# Altium PCB Printing.PcbDoc (part 2 of 5) (continued)
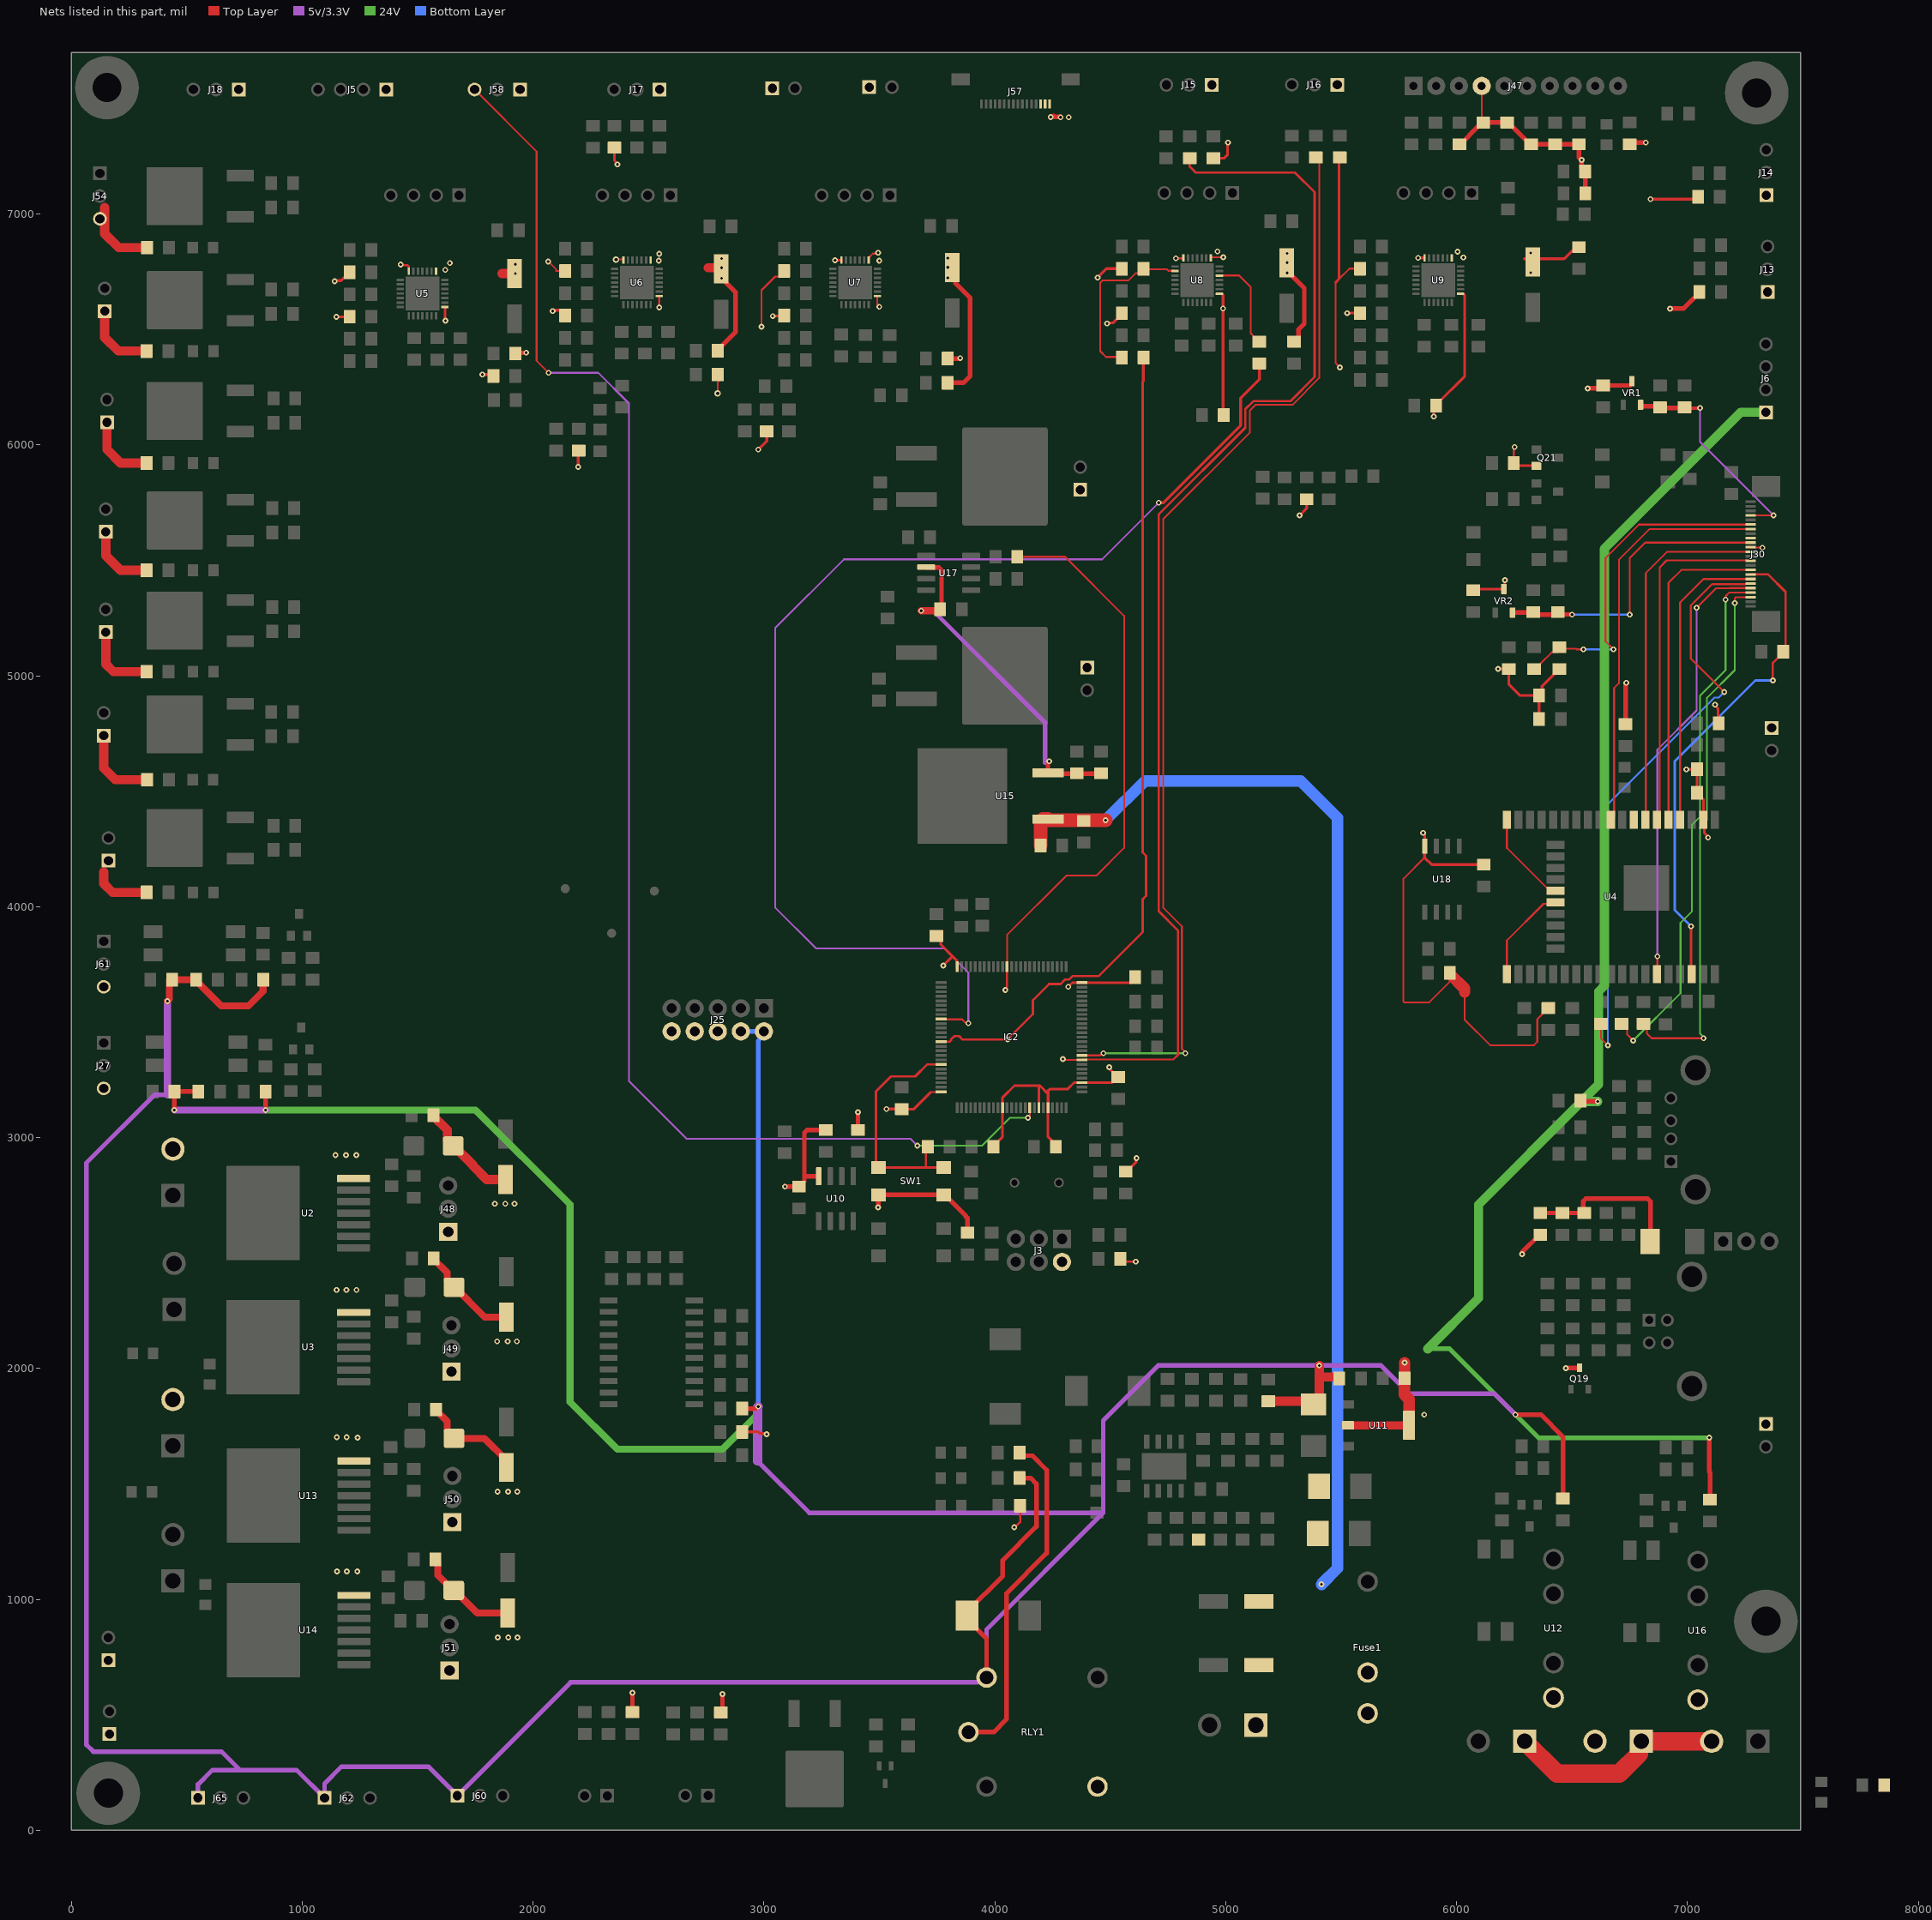
[diagram p4: the nets of this part, all layers, seen from the top]
## Part data (continued)
Fuse1: library part 696310001002, "Fuse Holder 20 A 250V 1 Circuit Cartridge Through Hole", Package=None, Availability="In Stock", Check_prices=https://www.snapeda.com/parts/696310001002/Wurth+Elektronik/view-part/?ref=eda, MF="Wurth Elektronik", MP=696310001002, Price=None, SnapEDA_Link=https://www.snapeda.com/parts/696310001002/Wurth+Elektronik/view-part/?ref=snap
IC2: "ARMÂ® CortexÂ®-M4 STM32F4 Microcontroller IC 32-Bit 168MHz 512KB _512K x 8_ FLASH 100-LQFP _14x14_", Package="LQFP-100 STMicroelectronics", Availability=Unavailable, MF=STMicroelectronics, MP=STM32F407VET6, Price=None, SnapEDA_Link=https://www.snapeda.com/parts/STM32F407VET6/STMicroelectronics/view-part/45214/?ref=snap
IC3: "4.5-V to 60-V input, 5-A, step-down DC-DC converter with Eco-mode 8-SO PowerPAD -40 to 150", Package="HSOIC-8 Texas Instruments", Arrow_Electronics-Purchase-URL=https://snapeda.com/shop?store=Arrow+Electronics&id=4328218, Availability=Good, DigiKey-Purchase-URL=https://snapeda.com/shop?store=DigiKey&id=4328218, MF="Texas Instruments", Mouser-Purchase-URL=https://snapeda.com/shop?store=Mouser&id=4328218, MP=TPS54560BDDA, Price=None, SnapEDA_Link=https://www.snapeda.com/parts/TPS54560BDDA/Texas%20Instruments/view-part/4328218/?ref=snap, Texas_Instruments-Purchase-URL=https://snapeda.com/shop?store=Texas+Instruments&id=4328218
J2: "USB-B (USB TYPE-B) USB 2.0 Receptacle Connector 4 Position Through Hole, Right Angle", Package=None, Supplier Part Number 1=3664925, Availability=Unavailable, MP=USB-B-S-X-X-TH, Price=None, Supplier 1=Farnell
J4: "USB-A (USB TYPE-A) USB 2.0 Receptacle Connector 4 Position Through Hole, Right Angle", Package=None, Digi-Key_Part_Number=SAM10373-ND, MF=Samtec, MP=USB-A-S-S-W-TH, SnapEDA_Link=https://www.snapeda.com/parts/USB-A-S-S-W-TH/Samtec%20Inc./view-part/423470/?ref=snap, Toby_UK-Purchase-URL=https://snapeda.com/shop?store=Toby+UK&id=423470
J5 J6 J13 J14 J15 J16 J17 J18 J27 J42 J43 J44 J45 J46 J54 J58 J60 J61 J62 J65: Package=None, Availability=Unavailable, Price=None
  J5 J6 J42 J43 J44 J45 J46: MP=B4B-XH-A(LF)(SN)
  J13 J14 J15 J16 J17 J18 J27 J54 J58 J60 J61 J62 J65: MP=B3B-XH-A(LF)(SN)
J7 J8 J11 J28 J29 J31 J32 J33 J34 J36 J52 J53 J55 J63 J64 J66: "Connector Header Through Hole 2 position 0.098 (2.50mm)", Package=None, Availability="In Stock", Check_prices=https://www.snapeda.com/parts/B2B-XH-A(LF)(SN)/JST+Sales+America+Inc./view-part/?ref=eda, MF="JST Sales", MP=B2B-XH-A(LF)(SN), Price=None, Purchase-URL=https://pricing.snapeda.com/search/part/B2B-XH-A(LF)(SN)/?ref=eda, SnapEDA_Link=https://www.snapeda.com/parts/B2B-XH-A(LF)(SN)/JST+Sales+America+Inc./view-part/?ref=snap
J47: "Connector Header, XH Series, 10 Position, 2.5mm, 250V, Through Hole, Press Fit, Solder, Natural", Manufacturer=JST, Supplier Part Number 1=455-BH10B-XH-2(LF)(SN)-ND, Category=Connectors, ComponentLink1Description=http://www.jst-mfg.com/product/pdf/eng/eXH-H.pdf?src-supplier=Digi-Key, ComponentLink1URL=http://www.jst-mfg.com/product/pdf/eng/eXH-H.pdf?src-supplier=Digi-Key, Manufacturer Part Number=BH10B-XH-2(LF)(SN), Pricing 1="1=0,77000, 10=0,65200, 100=0,58540, 500=0,47898, 1000=0,42576, 5000=0,37254, 10000=0,35392 (USD)", RoHS=No, Stock 1=53, Supplier 1=Digi-Key
J57: "Conn FFC/FPC Connector SKT 16 POS 0.5mm Solder RA SMD Easy-On™ T/R", Current Rating=500mA, Flammability Rating="UL94 V-0", Manufacturer=Molex, Max Operating Temperature=105°C, Min Operating Temperature=-40°C, Supplier Part Number 1=1116695P, Voltage Rating=50V, Actuator Material=Nylon,Glass,Polyamide, Category="FFC / FPC", ComponentLink1Description=https://media.digikey.com/pdf/Data%20Sheets/Molex%20PDFs/FFC-FPC_Connectors.pdf?src-supplier=Digi-Key, ComponentLink1URL=https://media.digikey.com/pdf/Data%20Sheets/Molex%20PDFs/FFC-FPC_Connectors.pdf?src-supplier=Digi-Key, ComponentLink2Description=https://www.molex.com/datasheets/rohspdf/5051101692_rohs.pdf?src-supplier=Digi-Key, ComponentLink2URL=https://www.molex.com/datasheets/rohspdf/5051101692_rohs.pdf?src-supplier=Digi-Key, ComponentLink3Description=http://www.farnell.com/datasheets/2014276.pdf?src-supplier=Element14, ComponentLink3URL=http://www.farnell.com/datasheets/2014276.pdf?src-supplier=Element14, Contact Material=Bronze, Contact Plating=Gold, Gender=Receptacle, Housing Material=Polymer, Manufacturer Part Number=505110-1692, Mount="Surface Mount", Number of Positions=16, Number of Rows=1, Packaging="Cut Tape", Pitch=0.02inch, RoHS=Yes, Series="Easy-On™ 505110", Stock 1=1, Supplier 1=Rs, Termination=Solder
L1 L2 L3 L4 L6 L10: library part FER_600R@100M_#2, "IND_FER_600R@100M_2A_25%_0805", Current=4A@ΔT=40°C, Manufacturer#1=Vishay, Manufacturer#1 PN=ILHB0805ER601V, Manufacturer#2=N/A, Max Reflow Temp=260, Package=0805, Power Rating=X, Temp# Operating=-55°C/+125°C, Tolerance=±25%, Added by=HasanA, Checked by=ErayC, ComponentLink1Description="Resource Folder", ComponentLink1URL=C:\FireANTs_Repo\HW_Lib\trunk\ComponentLibrary\Resources\Inductors\L00036, Cost=0.11, Failure in Time=N/A, Features=N/A, FireANTs Code=L00036, Grade Level=Industrial, Height=1.10, Identifier=FER_600R@100M_#2, Lead Status=Pb-Free, Location=1R9, Manufacturer#2 PN=N/A, Max Reflow Duration=10, Mounting Type=SMD, MSL=1, Part Status=Active, Placement Area=10.45, Similar Part=N/A, Temp# Storage=-55°C/+125°C, Voltage=X, Weight=16mg
L5: library part 7447798720, "Fixed Ind 7.2UH 7.9A 12.8 Mohm", Case/Package=Nonstandard, Current Rating=7.9A, DC Resistance (DCR)=12.8mR, Inductance Tolerance=30%, Manufacturer="Wurth Electronics", Max DC Current=6.5A, Max Operating Temperature=150°C, Min Operating Temperature=-40°C, Package Quantity=1, Resistor Type=Wirewound, Saturation Current=6A, Self Resonant Frequency=31MHz, Supplier Part Number 1=78R5736, Test Frequency=100kHz, Category="Fixed Inductors", ComponentLink1Description=https://datasheet.ciiva.com/7892/1736564-7892967.pdf?src-supplier=Element14, ComponentLink1URL=https://datasheet.ciiva.com/7892/1736564-7892967.pdf?src-supplier=Element14, ComponentLink2Description=https://datasheet.ciiva.com/6171/530544-6171082.pdf?src-supplier=Farnell, ComponentLink2URL=https://datasheet.ciiva.com/6171/530544-6171082.pdf?src-supplier=Farnell, ComponentLink3Description=https://datasheet.ciiva.com/4954/7447798720-38957-4954724.pdf?src-supplier=Mouser, ComponentLink3URL=https://datasheet.ciiva.com/4954/7447798720-38957-4954724.pdf?src-supplier=Mouser, ComponentLink4Description=https://datasheet.ciiva.com/1060/7447798720-1060960.pdf?src-supplier=Digi-Key, ComponentLink4URL=https://datasheet.ciiva.com/1060/7447798720-1060960.pdf?src-supplier=Digi-Key, ComponentLink5Description=https://datasheet.ciiva.com/1060/7447798720-1060961.pdf?src-supplier=Digi-Key, ComponentLink5URL=https://datasheet.ciiva.com/1060/7447798720-1060961.pdf?src-supplier=Digi-Key, ComponentLink6Description=https://datasheet.ciiva.com/1060/7447798720-1060962.pdf?src-supplier=Digi-Key, ComponentLink6URL=https://datasheet.ciiva.com/1060/7447798720-1060962.pdf?src-supplier=Digi-Key, Core Material=Metal,Composite,Ferrite, Height=6.4mm, Height - Seated (Max)=0.252inch, Inductance=7.2uH, Length=0.402inch, Manufacturer Part Number=7447798720, Mount="Surface Mount", Packaging="Tape and Reel", RMS Current (Irms)=7.9A, RoHS=Yes, RoHS Compliant=Yes, Series=WE-PDF, Shielding=Shielded, Supplier 1=Newark, Termination=SMD/SMT, Tolerance=30%, Width=10.2mm
Q1 Q2 Q4 Q5 Q20 Q21: library part NPN_40V-200mA_#1, "TRA_NPN_SING_40V_200mA_VSAT300mV_SOT23-3", Current=200mA, Manufacturer#1=Nexperia, Manufacturer#1 PN=MMBT3904,215, Manufacturer#2=Diodes, Manufacturer#2 PN=MMBT3904-7-F, Max Reflow Temp=260, Package=SOT23-3, Power Rating=X, Temp# Operating=-65°C/+150°C, Voltage=40V, Added by=HasanA, Checked by=EserC, ComponentLink1Description="Resource Folder", ComponentLink1URL=C:\BNA_Repo\HW_Lib\trunk\ComponentLibrary\Resources\Transistors\Q00012, Cost=0.10, Failure in Time="0.44@[60%CL; 55°C; 0.7eV]", Features="Single NPN signal BJT", FireANTs Code=Q00012, Grade Level=Industrial, Height=1.10, Identifier=NPN_40V-200mA_#1, Lead Status=Pb-Free, Location=4D3, Max Reflow Duration=30, Mounting Type=SMD, MSL=1, Part Status=Active, Placement Area=14.00, Similar Part="SST3904HZGT116; PMBT3904,235", Temp# Storage=-65°C/+150°C, Tolerance=X, Weight=7.48mg
Q3 Q25: library part NMOS_200V-60A_#1, "TRA_NMOS_SING_200V_60A_TH3V_DPAK", Current=60A, Manufacturer#1=Vishay, Manufacturer#1 PN=SQM60N20-35_GE3, Manufacturer#2=N/A, Max Reflow Temp=260, Package=D2PAK-3, Power Rating=X, Temp# Operating=-55°C/+175°C, Voltage=200V, Added by=İlhanT, Checked by=EserC, ComponentLink1Description="Resource Folder", ComponentLink1URL=C:\BNA_Repo\HW_Lib\trunk\ComponentLibrary\Resources\Transistors\Q00029, Cost=2.86, Failure in Time="0.57@[60%CL; 55°C; 0.7eV]", Features="AEC-Q101;  Single nMOS; Rdson=35mR@Vgs=10V@25°C; Qgate(tot)=135nC; Vgsmax=±20V", FireANTs Code=Q00029, Grade Level=Automotive, Height=4.83, Identifier=NMOS_200V-60A_#1, Lead Status=Pb-Free, Location=4A8, Manufacturer#2 PN=N/A, Max Reflow Duration=10, Mounting Type=SMD, MSL=1, Part Status=Active, Placement Area=210.00, Similar Part=SQM10250E_GE3, Temp# Storage=-55°C/+175°C, Tolerance=X, Weight=1565mg
Q6 Q12 Q13 Q15 Q22 Q23 Q28 Q29: library part NMOS_100V-50A_#1, "TRA_NMOS_SING_100V_50A_TH2V_DPAK", Current=4.2A, Manufacturer#1=Vishay, Manufacturer#1 PN=SQD50N10-8M9L, Manufacturer#2=N/A, Max Reflow Temp=260, Package=DPAK, Power Rating=X, Temp# Operating=-55°C/+175°C, Voltage=70V, Added by=İlhanT, Checked by=YasinY, ComponentLink1Description="Resource Folder", ComponentLink1URL=C:\BNA_Repo\HW_Lib\trunk\ComponentLibrary\Resources\Transistors\Q00028, Cost=1.54, Failure in Time="1.84@[60%CL; 55°C; 0.7eV]", Features="AEC-Q101;  Single nMOS; Rdson=11.2mR@Vgs=4.5V@25°C; Qgate(tot)=70nC; Vgsmax=±20V", FireANTs Code=Q00028, Grade Level=Automotive, Height=2.38, Identifier=NMOS_100V-50A_#1, Lead Status=Pb-Free, Location=4D7, Manufacturer#2 PN=N/A, Max Reflow Duration=10, Mounting Type=SMD, MSL=1, Part Status=Active, Placement Area=97.50, Similar Part="SQM70060EL_GE3; SQM100N10-10_GE3", Temp# Storage=-55°C/+175°C, Tolerance=X, Weight=370mg
Q7: "NPN Ic=500mA Vceo=45V hfe=250~600 P=250mW", Manufacturer=Nexperia, Supplier Part Number 1=2319233, Category=BJTs, ComponentLink1Description=http://www.farnell.com/datasheets/2242064.pdf?src-supplier=Farnell, ComponentLink1URL=http://www.farnell.com/datasheets/2242064.pdf?src-supplier=Farnell, ComponentLink2Description=https://assets.nexperia.com/documents/data-sheet/BC817W_SER.pdf?src-supplier=Digi-Key, ComponentLink2URL=https://assets.nexperia.com/documents/data-sheet/BC817W_SER.pdf?src-supplier=Digi-Key, ComponentLink3Description=http://www.farnell.com/datasheets/2242064.pdf?src-supplier=Newark, ComponentLink3URL=http://www.farnell.com/datasheets/2242064.pdf?src-supplier=Newark, Manufacturer Part Number=BC817-40W,115, Pricing 1="5=0,16300, 50=0,12900, 100=0,09400, 500=0,04600 (EUR)", RoHS=Yes, RoHS Compliant=Yes, Stock 1=58090, Supplier 1=Farnell
Q19: "Power Field-Effect Transistor, 3.6A I(D), 30V, 0.073ohm, 1-Element, P-Channel, Silicon, Metal-oxide Semiconductor FET", Manufacturer="Pan Jit", Supplier Part Number 1=3757-PJA3405_R1_00001CT-ND, Manufacturer Part Number=PJA3405_R1_00001, Pricing 1="1=0,44000, 10=0,33400, 100=0,20830, 500=0,14250, 1000=0,10962 (USD)", RoHS=Yes, Stock 1=17264, Supplier 1=Digi-Key
R1 R2 R5 R6 R8 R10 R11 R12 R13 R14 R15 R24 R25 R26 R28 R32 R33 R40 R41 R42 R43 R49 R50 R51 R58 R59 R73 R75 R123 R126 R139 R186: library part STD_4.7K_#3, "RES_STD_4.7K_0.125W_1%_100ppm_0805", Current=X, Manufacturer#1=Yageo, Manufacturer#1 PN=AC0805FR-074K7L, Manufacturer#2=Panasonic, Manufacturer#2 PN=ERJ-6ENF4701V, Max Reflow Temp=260, Package=0805, Power Rating=125mW, Temp# Operating=-55°C/+155°C, Temp# Storage=N/A, Tolerance=1%, Voltage=150V, Added by=SonerI, Checked by=YasinY, ComponentLink1Description="Resource Folder", ComponentLink1URL=C:\FireANTs_Repo\HW_Lib\trunk\ComponentLibrary\Resources\Resistors\R00230, Cost=0.10, Failure in Time=N/A, Features=AEC-Q200, FireANTs Code=R00230, Grade Level=Automotive, Height=0.60, Identifier=STD_4.7K_#3, Lead Status=Pb-Free, Location=TBD, Max Reflow Duration=10, Mounting Type=SMD, MSL=1, Part Status=Active, Placement Area=10.45, Similar Part=N/A, Weight=5.5mg
R3: library part STD_100K_#3, "RES_STD_100K_0.125W_1%_100ppm_0805", Current=X, Manufacturer#1=Yageo, Manufacturer#1 PN=AC0805FR-07100KL, Manufacturer#2=Panasonic, Manufacturer#2 PN=ERJ-6ENF1003V, Max Reflow Temp=260, Package=0805, Power Rating=125mW, Temp# Operating=-55°C/+155°C, Temp# Storage=N/A, Tolerance=1%, Voltage=150V, Added by=SonerI, Checked by=YasinY, ComponentLink1Description="Resource Folder", ComponentLink1URL=C:\FireANTs_Repo\HW_Lib\trunk\ComponentLibrary\Resources\Resistors\R00189, Cost=0.10, Failure in Time=N/A, Features=AEC-Q200, FireANTs Code=R00189, Grade Level=Automotive, Height=0.70, Identifier=STD_100K_#3, Lead Status=Pb-Free, Location=2E23, Max Reflow Duration=10, Mounting Type=SMD, MSL=1, Part Status=Active, Placement Area=10.45, Similar Part="ERJ-PB6D1003V; RT0805DRE07100KL", Weight=5.5mg
R4: library part STD_220R_#2, "RES_STD_220R_0.125W_1%_100ppm_0805", Current=X, Manufacturer#1=Vishay, Manufacturer#1 PN=CRCW0805220RFKEB, Manufacturer#2=N/A, Max Reflow Temp=260, Package=0805, Power Rating=125mW, Temp# Operating=-55°C/+155°C, Tolerance=1%, Voltage=150V, Added by=HicabiB, Checked by=???, ComponentLink1Description="Resource Folder", ComponentLink1URL=C:\FireANTs_Repo\HW_Lib\trunk\ComponentLibrary\Resources\Resistors\R00378, Cost=0.1, Failure in Time=N/A, Features=AEC-Q200, FireANTs Code=R00378, Grade Level=Automotive, Height=0.50, Identifier=STD_220R_#2, Lead Status=Pb-Free, Location=2O20, Manufacturer#2 PN=N/A, Max Reflow Duration=10, Mounting Type=SMD, MSL=1, Part Status=Active, Placement Area=10.45, Similar Part=N/A, Temp# Storage=N/A, Weight=5.5mg
R7 R9 R16 R17 R18 R19 R20 R113 R114 R115 R116 R117: library part STD_10K_#3, "RES_STD_10K_0.125W_1%_100ppm_0805", Current=X, Manufacturer#1=Yageo, Manufacturer#1 PN=AC0805FR-0710KL, Manufacturer#2=Panasonic, Manufacturer#2 PN=ERJ-6ENF1002V, Max Reflow Temp=260, Package=0805, Power Rating=125mW, Temp# Operating=-55°C/+155°C, Temp# Storage=N/A, Tolerance=1%, Voltage=150V, Added by=SonerI, Checked by=YasinY, ComponentLink1Description="Resource Folder", ComponentLink1URL=C:\FireANTs_Repo\HW_Lib\trunk\ComponentLibrary\Resources\Resistors\R00121, Cost=0.10, Failure in Time=N/A, Features=AEC-Q200, FireANTs Code=R00121, Grade Level=Automotive, Height=0.70, Identifier=STD_10K_#3, Lead Status=Pb-Free, Location=2E6, Max Reflow Duration=10, Mounting Type=SMD, MSL=1, Part Status=Active, Placement Area=10.45, Similar Part=N/A, Weight=5.5mg
R21 R34 R36 R118 R119 R120 R121 R122: library part STD_442K_#1, "RES_STD_442K_0.125W_0.1%_25ppm_0805", Current=X, Manufacturer#1=Panasonic, Manufacturer#1 PN=ERA-6AEB4423V, Manufacturer#2=Susumu, Manufacturer#2 PN=RG2012P-4423-B-T5, Max Reflow Temp=260, Package=0805, Power Rating=125mW, Temp# Operating=-55°C/+155°C, Temp# Storage=N/A, Tolerance=0.1%, Voltage=100V, Added by=İlhanT, Checked by=YasinY, ComponentLink1Description="Resource Folder", ComponentLink1URL=C:\FireANTs_Repo\HW_Lib\trunk\ComponentLibrary\Resources\Resistors\R00098, Cost=0.31, Failure in Time=N/A, Features=AEC-Q200, FireANTs Code=R00098, Grade Level=Automotive, Height=0.70, Identifier=STD_442K_#1, Lead Status=Pb-Free, Location=2B25, Max Reflow Duration=10, Mounting Type=SMD, MSL=1, Part Status=Active, Placement Area=10.45, Similar Part=RN73C2A442KBTDF, Weight=5.5mg
R22 R23 R29 R54 R55 R56 R74 R80 R82 R83 R84 R90 R91 R100 R101 R109 R136 R138 R140 R141 R142 R143 R144 R145 R146 R147 R148 R149 R150 R151 R152 R153 R154 R156 R166 R171 R172 R173 R174 R175: library part STD_JUMPER_#3, "RES_STD_0R_0.125W_0805", Current=X, Manufacturer#1=Yageo, Manufacturer#1 PN=AC0805JR-070RL, Manufacturer#2=Panasonic, Manufacturer#2 PN=ERJ-6GEY0R00V, Max Reflow Temp=260, Package=0805, Power Rating=125mW, Temp# Operating=-55°C/+155°C, Temp# Storage=N/A, Tolerance=5%, Voltage=150V, Added by=İlhanT, Checked by=YasinY, ComponentLink1Description="Resource Folder", ComponentLink1URL=C:\FireANTs_Repo\HW_Lib\trunk\ComponentLibrary\Resources\Resistors\R00008, Cost=0.10, Failure in Time=N/A, Features=AEC-Q200, FireANTs Code=R00008, Grade Level=Automotive, Height=0.70, Identifier=STD_JUMPER_#3, Lead Status=Pb-Free, Location=2D2, Max Reflow Duration=10, Mounting Type=SMD, MSL=1, Part Status=Active, Placement Area=10.45, Similar Part=N/A, Weight=5.5mg
R27 R76 R81 R164: library part STD_100R_#5, "RES_STD_100R_0.125W_0.1%_10ppm_0805", Current=X, Manufacturer#1=Yageo, Manufacturer#1 PN=RT0805BRB07100RL, Manufacturer#2="TE Connectivity", Manufacturer#2 PN=RQ73C2A100RBTD, Max Reflow Temp=260, Package=0805, Power Rating=125mW, Temp# Operating=-55°C/+155°C, Temp# Storage=N/A, Tolerance=0.1%, Voltage=150V, Added by=HasanA, Checked by=YasinY, ComponentLink1Description="Resource Folder", ComponentLink1URL=C:\FireANTs_Repo\HW_Lib\trunk\ComponentLibrary\Resources\Resistors\R00072, Cost=0.73, Failure in Time=N/A, Features=N/A, FireANTs Code=R00072, Grade Level=Industrial, Height=0.70, Identifier=STD_100R_#5, Lead Status=Pb-Free, Location=2D18, Max Reflow Duration=10, Mounting Type=SMD, MSL=1, Part Status=Active, Placement Area=10.45, Similar Part="RNCF0805TKY100R; RG2012N-101-W-T1", Weight=5.5mg
R30: library part STD_10K_#4, "RES_STD_10K_0.125W_0.01%_5ppm_0805", Current=X, Manufacturer#1=Stackpole, Manufacturer#1 PN=RNCF0805TKY10K0, Manufacturer#2 PN=RNCF0805TKW10K0, Max Reflow Temp=260, Package=0805, Power Rating=125mW, Temp# Operating=-55°C/+155°C, Temp# Storage=N/A, Tolerance=0.01%, Voltage=150V, Added by=HasanA, Checked by=YasinY, ComponentLink1Description="Resource Folder", ComponentLink1URL=C:\FireANTs_Repo\HW_Lib\trunk\ComponentLibrary\Resources\Resistors\R00073, Cost=2.15, Failure in Time=N/A, Features=AEC-Q200, FireANTs Code=R00073, Grade Level=Automotive, Height=0.70, Identifier=STD_10K_#4, Lead Status=Pb-Free, Location=2A19, Manufacturer#2=Stackpole, Max Reflow Duration=10, Mounting Type=SMD, MSL=1, Part Status=Active, Placement Area=10.45, Similar Part=N/A, Weight=5.5mg
R31 R35 R37 R38 R39 R65 R66 R67 R68 R69 R77 R78 R79 R134 R157 R158 R160 R162 R168 R177 R187 R188 R190: library part STD_3.3K_#3, "RES_STD_3.3K_0.125W_1%_100ppm_0805", Current=X, Manufacturer#1=Yageo, Manufacturer#1 PN=AC0805FR-073K3L, Manufacturer#2=Panasonic, Manufacturer#2 PN=ERJ-6ENF3301V, Max Reflow Temp=260, Package=0805, Power Rating=125mW, Temp# Operating=-55°C/+155°C, Temp# Storage=N/A, Tolerance=1%, Voltage=150V, Added by=HasanA, Checked by=YasinY, ComponentLink1Description="Resource Folder", ComponentLink1URL=C:\FireANTs_Repo\HW_Lib\trunk\ComponentLibrary\Resources\Resistors\R00131, Cost=0.10, Failure in Time=N/A, Features=AEC-Q200, FireANTs Code=R00131, Grade Level=Automotive, Height=0.70, Identifier=STD_3.3K_#3, Lead Status=Pb-Free, Location=2G8, Max Reflow Duration=10, Mounting Type=SMD, MSL=1, Part Status=Active, Placement Area=10.45, Similar Part=N/A, Weight=5.5mg
R44 R46 R47 R48: library part STD_100R_#7, "RES_STD_100R_0.125W_0.01%_5ppm_0805", Current=X, Manufacturer#1=Stackpole, Manufacturer#1 PN=RNCF0805TKY100R, Manufacturer#2 PN=RNCF0805TTY100R, Max Reflow Temp=260, Package=0805, Power Rating=125mW, Temp# Operating=-55°C/+155°C, Temp# Storage=N/A, Tolerance=0.01%, Voltage=150V, Added by=HasanA, Checked by=YasinY, ComponentLink1Description="Resource Folder", ComponentLink1URL=C:\FireANTs_Repo\HW_Lib\trunk\ComponentLibrary\Resources\Resistors\R00071, Cost=2.15, Failure in Time=N/A, Features=AEC-Q200, FireANTs Code=R00071, Grade Level=Automotive, Height=0.70, Identifier=STD_100R_#7, Lead Status=Pb-Free, Location=2C18, Manufacturer#2=Stackpole, Max Reflow Duration=10, Mounting Type=SMD, MSL=1, Part Status=Active, Placement Area=10.45, Similar Part=N/A, Weight=5.5mg
R45 R124 R125 R127 R128 R129 R130 R131 R132 R178 R179 R180 R181 R182 R183 R184: library part STD_1K_#2, "RES_STD_1K_0.125W_1%_100ppm_0805", Current=X, Manufacturer#1=Yageo, Manufacturer#1 PN=AC0805FR-071KL, Manufacturer#2=Panasonic, Manufacturer#2 PN=ERJ-6ENF1001V, Max Reflow Temp=260, Package=0805, Power Rating=125mW, Temp# Operating=-55°C/+155°C, Temp# Storage=N/A, Tolerance=1%, Voltage=150V, Added by=SonerI, Checked by=YasinY, ComponentLink1Description="Resource Folder", ComponentLink1URL=C:\FireANTs_Repo\HW_Lib\trunk\ComponentLibrary\Resources\Resistors\R00102, Cost=0.10, Failure in Time=N/A, Features=AEC-Q200, FireANTs Code=R00102, Grade Level=Automotive, Height=0.70, Identifier=STD_1K_#2, Lead Status=Pb-Free, Location=2F1, Max Reflow Duration=10, Mounting Type=SMD, MSL=1, Part Status=Active, Placement Area=10.45, Similar Part=N/A, Weight=5.5mg
R52 R53 R60 R61 R169: library part STD_1K_#4, "RES_STD_1K_0.125W_0.01%_5ppm_0805", Current=X, Manufacturer#1=Stackpole, Manufacturer#1 PN=RNCF0805TKY1K00, Manufacturer#2=Vishay, Manufacturer#2 PN=PLT0805Z1001LBTS, Max Reflow Temp=260, Package=0805, Power Rating=125mW, Temp# Operating=-55°C/+155°C, Temp# Storage=N/A, Tolerance=0.01%, Voltage=150V, Added by=HasanA, Checked by=YasinY, ComponentLink1Description="Resource Folder", ComponentLink1URL=C:\FireANTs_Repo\HW_Lib\trunk\ComponentLibrary\Resources\Resistors\R00068, Cost=2.15, Failure in Time=N/A, Features=AEC-Q200, FireANTs Code=R00068, Grade Level=Automotive, Height=0.70, Identifier=STD_1K_#4, Lead Status=Pb-Free, Location=2D17, Max Reflow Duration=10, Mounting Type=SMD, MSL=1, Part Status=Active, Placement Area=10.45, Similar Part=PLTU0805U1001LST5, Weight=5.5mg
R57 R167: library part STD_2.2K_#4, "RES_STD_2.2K_0.125W_0.05%_10ppm_0805", Current=X, Manufacturer#1=Panasonic, Manufacturer#1 PN=ERA-6ARW222V, Manufacturer#2=Susumu, Manufacturer#2 PN=RG2012N-222-W-T1, Max Reflow Temp=260, Package=0805, Power Rating=125mW, Temp# Operating=-55°C/+155°C, Temp# Storage=N/A, Tolerance=0.05%, Voltage=100V, Added by=İlhanT, Checked by=YasinY, ComponentLink1Description="Resource Folder", ComponentLink1URL=C:\FireANTs_Repo\HW_Lib\trunk\ComponentLibrary\Resources\Resistors\R00069, Cost=0.78, Failure in Time=N/A, Features=AEC-Q200, FireANTs Code=R00069, Grade Level=Automotive, Height=0.70, Identifier=STD_2.2K_#4, Lead Status=Pb-Free, Location=2A18, Max Reflow Duration=10, Mounting Type=SMD, MSL=1, Part Status=Active, Placement Area=10.45, Similar Part=N/A, Weight=5.5mg
R62 R63 R64 R70 R71 R72 R133 R159 R161 R163 R165 R176 R189: library part STD_33R_#3, "RES_STD_33R_0.125W_1%_100ppm_0805", Current=X, Manufacturer#1=Yageo, Manufacturer#1 PN=AC0805FR-0733RL, Manufacturer#2=Panasonic, Manufacturer#2 PN=ERJ-6ENF33R0V, Max Reflow Temp=260, Package=0805, Power Rating=125mW, Temp# Operating=-55°C/+155°C, Temp# Storage=N/A, Tolerance=1%, Voltage=150V, Added by=HasanA, Checked by=YasinY, ComponentLink1Description="Resource Folder", ComponentLink1URL=C:\FireANTs_Repo\HW_Lib\trunk\ComponentLibrary\Resources\Resistors\R00051, Cost=0.10, Failure in Time=N/A, Features=AEC-Q200, FireANTs Code=R00051, Grade Level=Automotive, Height=0.70, Identifier=STD_33R_#3, Lead Status=Pb-Free, Location=2C13, Max Reflow Duration=10, Mounting Type=SMD, MSL=1, Part Status=Active, Placement Area=10.45, Similar Part=N/A, Weight=5.5mg
R88 R89 R92 R93 R98 R99 R102 R103 R108 R110: library part STD_22K_#3, "RES_STD_22K_0.125W_1%_100ppm_0805", Current=X, Manufacturer#1=Yageo, Manufacturer#1 PN=AC0805FR-0722KL, Manufacturer#2=Panasonic, Manufacturer#2 PN=ERJ-6ENF2202V, Max Reflow Temp=260, Package=0805, Power Rating=125mW, Temp# Operating=-55°C/+155°C, Temp# Storage=N/A, Tolerance=1%, Voltage=150V, Added by=SonerI, Checked by=YasinY, ComponentLink1Description="Resource Folder", ComponentLink1URL=C:\FireANTs_Repo\HW_Lib\trunk\ComponentLibrary\Resources\Resistors\R00064, Cost=0.10, Failure in Time=N/A, Features=AEC-Q200, FireANTs Code=R00064, Grade Level=Automotive, Height=0.70, Identifier=STD_22K_#3, Lead Status=Pb-Free, Location=2D16, Max Reflow Duration=10, Mounting Type=SMD, MSL=1, Part Status=Active, Placement Area=10.45, Similar Part=N/A, Weight=5.5mg
R94 R95 R96 R97 R104 R105 R106 R107 R111 R112: library part STD_1K_#6, "RES_STD_1K_0.125W_0.1%_25ppm_0805", Current=X, Manufacturer#1=Panasonic, Manufacturer#1 PN=ERA-6AEB102V, Manufacturer#2=Susumu, Manufacturer#2 PN=RG2012P-102-B-T5, Max Reflow Temp=260, Package=0805, Power Rating=125mW, Temp# Operating=-55°C/+155°C, Temp# Storage=N/A, Tolerance=0.1%, Voltage=100V, Added by=İlhanT, Checked by=YasinY, ComponentLink1Description="Resource Folder", ComponentLink1URL=C:\FireANTs_Repo\HW_Lib\trunk\ComponentLibrary\Resources\Resistors\R00085, Cost=0.31, Failure in Time=N/A, Features=AEC-Q200, FireANTs Code=R00085, Grade Level=Automotive, Height=0.70, Identifier=STD_1K_#6, Lead Status=Pb-Free, Location=2A22, Max Reflow Duration=10, Mounting Type=SMD, MSL=1, Part Status=Active, Placement Area=10.45, Similar Part=RN73C2A1K0BTD, Weight=5.5mg
R135 R137: library part STD_10K_#6, "RES_STD_10K_0.125W_0.1%_25ppm_0805", Current=X, Manufacturer#1=Panasonic, Manufacturer#1 PN=ERA-6AEB103V, Manufacturer#2=Susumu, Manufacturer#2 PN=RG2012P-103-B-T5, Max Reflow Temp=260, Package=0805, Power Rating=125mW, Temp# Operating=-55°C/+155°C, Temp# Storage=N/A, Tolerance=0.1%, Voltage=100V, Added by=İlhanT, Checked by=YasinY, ComponentLink1Description="Resource Folder", ComponentLink1URL=C:\FireANTs_Repo\HW_Lib\trunk\ComponentLibrary\Resources\Resistors\R00091, Cost=0.31, Failure in Time=N/A, Features=AEC-Q200, FireANTs Code=R00091, Grade Level=Automotive, Height=0.70, Identifier=STD_10K_#6, Lead Status=Pb-Free, Location=2C23, Max Reflow Duration=10, Mounting Type=SMD, MSL=1, Part Status=Active, Placement Area=10.45, Similar Part=RN73C2A10KBTD, Weight=5.5mg
R155: library part STD_JUMPER_#3, "RES_STD_0R_0.125W_0805", Current=X, Manufacturer#1=Yageo, Manufacturer#1 PN=AC0805JR-070RL, Manufacturer#2=Panasonic, Manufacturer#2 PN=ERJ-6GEY0R00V, Max Reflow Temp=260, Package=DNP, Power Rating=125mW, Temp# Operating=-55°C/+155°C, Temp# Storage=N/A, Tolerance=5%, Voltage=150V, Added by=İlhanT, Checked by=YasinY, ComponentLink1Description="Resource Folder", ComponentLink1URL=C:\FireANTs_Repo\HW_Lib\trunk\ComponentLibrary\Resources\Resistors\R00008, Cost=0.10, Failure in Time=N/A, Features=AEC-Q200, FireANTs Code=R00008, Grade Level=Automotive, Height=0.70, Identifier=STD_JUMPER_#3, Lead Status=Pb-Free, Location=2D2, Max Reflow Duration=10, Mounting Type=SMD, MSL=1, Part Status=Active, Placement Area=10.45, Similar Part=N/A, Weight=5.5mg
R170 R185 R193 R194 R195 R196 R197: library part STD_2K_#7, "RES_STD_2K_0.125W_0.1%_25ppm_0805", Current=X, Manufacturer#1=Panasonic, Manufacturer#1 PN=ERA-6AEB202V, Manufacturer#2=Susumu, Manufacturer#2 PN=RG2012P-202-B-T5, Max Reflow Temp=260, Package=0805, Power Rating=125mW, Temp# Operating=-55°C/+155°C, Temp# Storage=N/A, Tolerance=0.1%, Voltage=100V, Added by=İlhanT, Checked by=YasinY, ComponentLink1Description="Resource Folder", ComponentLink1URL=C:\FireANTs_Repo\HW_Lib\trunk\ComponentLibrary\Resources\Resistors\R00087, Cost=0.31, Failure in Time=N/A, Features=AEC-Q200, FireANTs Code=R00087, Grade Level=Automotive, Height=0.70, Identifier=STD_2K_#7, Lead Status=Pb-Free, Location=2C22, Max Reflow Duration=10, Mounting Type=SMD, MSL=1, Part Status=Active, Placement Area=10.45, Similar Part=ERA-6ARB202V, Weight=5.5mg
R191 R192: library part STD_0R_#3, "RES_STD_0R_0.125W_0805", Current=X, Manufacturer#1=Yageo, Manufacturer#1 PN=AC0805JR-070RL, Manufacturer#2=Panasonic, Manufacturer#2 PN=ERJ-6GEY0R00V, Max Reflow Temp=260, Package=0805, Power Rating=125mW, Temp# Operating=-55°C/+155°C, Temp# Storage=N/A, Tolerance=5%, Voltage=150V, Added by=İlhanT, Checked by=YasinY, ComponentLink1Description="Resource Folder", ComponentLink1URL=C:\FireANTs_Repo\HW_Lib\trunk\ComponentLibrary\Resources\Resistors\R00008, Cost=0.10, Failure in Time=N/A, Features=AEC-Q200, FireANTs Code=R00008, Grade Level=Automotive, Height=0.70, Identifier=STD_0R_#3, Lead Status=Pb-Free, Location=2D2, Max Reflow Duration=10, Mounting Type=SMD, MSL=1, Part Status=Active, Placement Area=10.45, Similar Part=N/A, Weight=5.5mg
SB1 SB3 SB4: library part 0805_SB
U1: "Buffer/Line Driver 8-CH Non-Inverting 3-ST CMOS 20-Pin SOIC Tube", Case/Package=SOIC, High Level Output Current=-8mA, Low Level Output Current=8mA, Manufacturer="Texas Instruments", Max Operating Temperature=85°C, Max Supply Voltage=5.5V, Min Operating Temperature=-40°C, Min Supply Voltage=2V, Package Quantity=25, Quiescent Current=4uA, Category="Buffers, Drivers and Transceivers", ComponentLink1Description=https://datasheet.ciiva.com/1620/sn74ahc244-1620321.pdf?src-supplier=Newark, ComponentLink1URL=https://datasheet.ciiva.com/1620/sn74ahc244-1620321.pdf?src-supplier=Newark, ComponentLink2Description=https://datasheet.ciiva.com/15094/getdatasheetpartid-49308-15094305.pdf?src-supplier=Verical, ComponentLink2URL=https://datasheet.ciiva.com/15094/getdatasheetpartid-49308-15094305.pdf?src-supplier=Verical, ComponentLink3Description=https://datasheet.ciiva.com/7748/1815001-7748028.pdf?src-supplier=Element14, ComponentLink3URL=https://datasheet.ciiva.com/7748/1815001-7748028.pdf?src-supplier=Element14, ComponentLink4Description=https://datasheet.ciiva.com/1835/sn74ahc244-1835217.pdf?src-supplier=Digi-Key, ComponentLink4URL=https://datasheet.ciiva.com/1835/sn74ahc244-1835217.pdf?src-supplier=Digi-Key, ComponentLink5Description=https://datasheet.ciiva.com/14301/sn54ahc244-14301307.pdf?src-supplier=Avnet, ComponentLink5URL=https://datasheet.ciiva.com/14301/sn54ahc244-14301307.pdf?src-supplier=Avnet, Height=2.35mm, Lead Free="Lead Free", Length=12.8mm, Logic Function=Buffer,Inverting, Manufacturer Part Number=SN74AHC244DW, Mount="Surface Mount", Number of Bits=8, Number of Bits per Element=4, Number of Channels=8, Number of Circuits=8, Number of Elements=2, Number of Input Lines=8, Number of Inputs=8, Number of Output Lines=8, Number of Outputs=8, Number of Pins=20, Output Type=3-STATE, Packaging=Rail/Tube, Polarity=Non-Inverting, Pricing 1="1=0,84130, 10=0,80590, 25=0,78200, 50=0,77410, 100=0,71270, 250=0,68820, 500=0,54870 (USD)", Propagation Delay=16ns, Radiation Hardening=No, Reach SVHC Compliant=Yes, RoHS=Yes, RoHS Compliant=Yes, Series=74AHC, Stock 1=5, Supplier 1="Arrow Electronics", Supplier Part Number 1=SN74AHC244DW, Technology=CMOS, Termination=SMD/SMT, Turn-On Delay Time=11.9ns, Width=7.52mm